# Altium PCB MOTHER_BOARD_LS1021_v1.0.PcbDoc (part 11 of 15)
Units mm, origin at the board's own origin, x right, y up, seen from the top; angles counter-clockwise.
Board outline 285 x 90.6 mm, 10 copper layers (TOP, GND1, SIGNAL1, GND+PWR1, POWER1, POWER2, GND+PWR2, SIGNAL2, GND2, BOTTOM), stack 1.739 mm thick; 1099 components, 832 nets, 4657 pads, 2737 vias.
Unrouted connection lines stored in the file: 7.
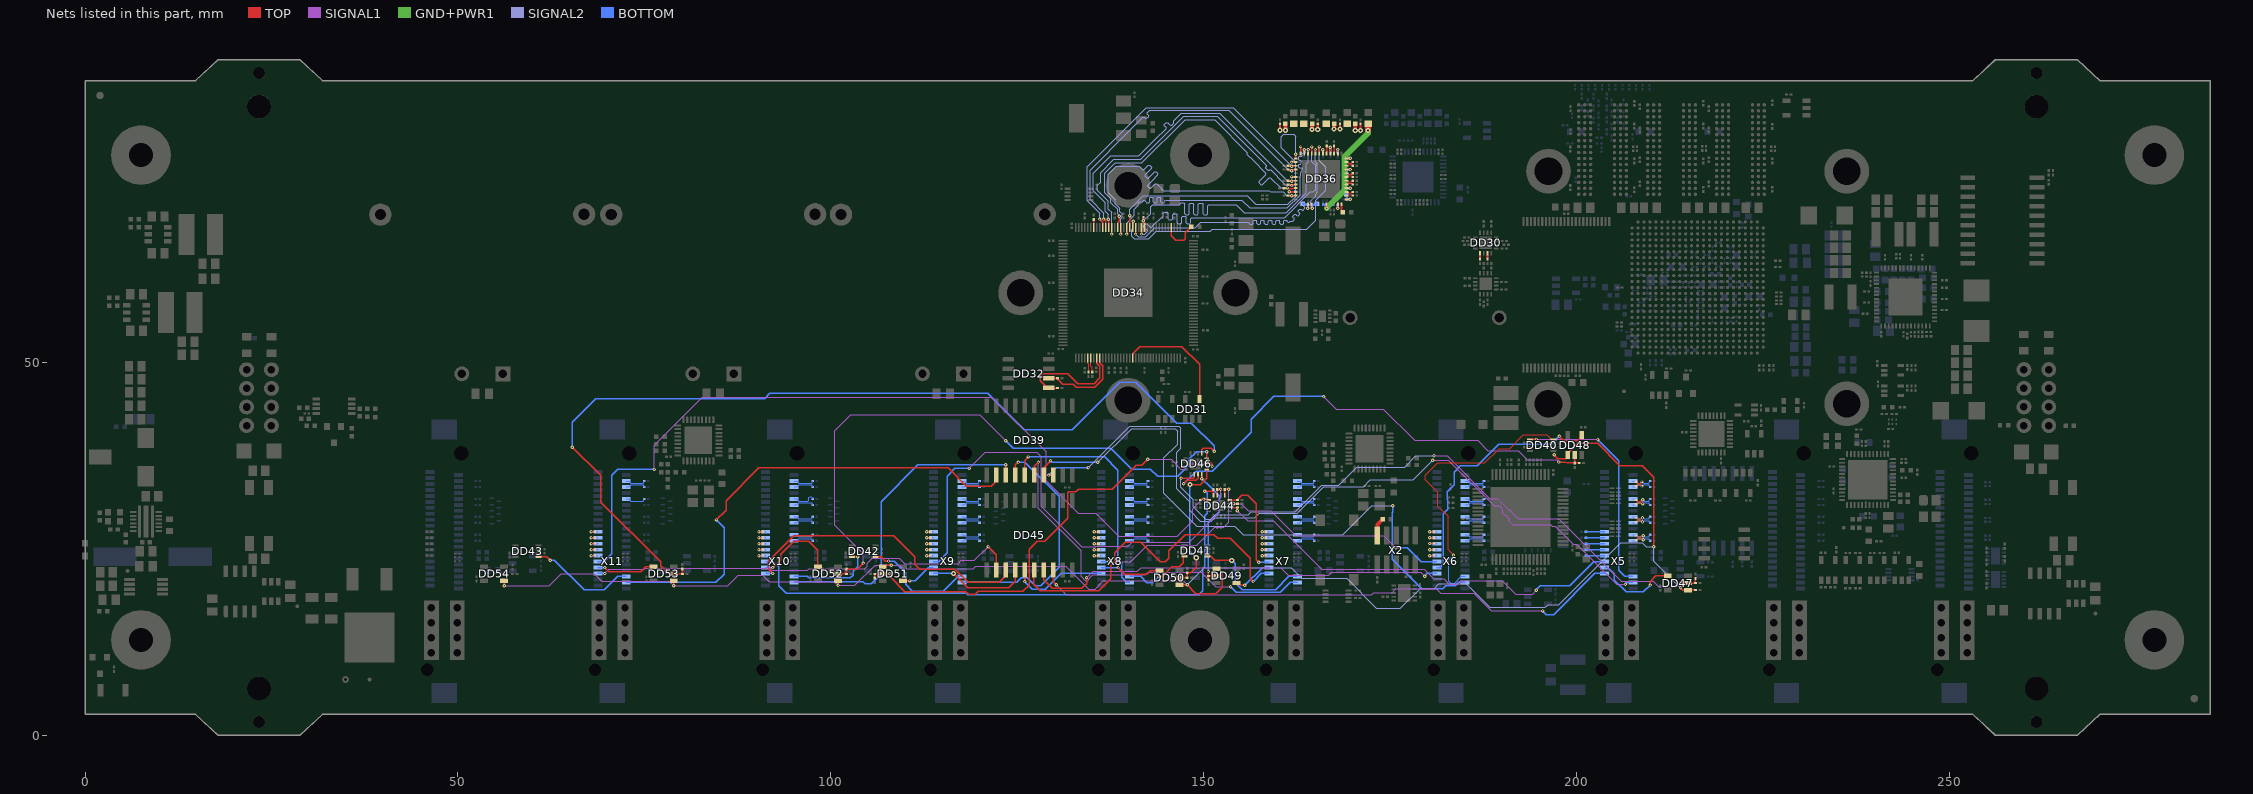
[diagram p19: the nets of this part, all layers, seen from the top]

## Via types
v1: diameter 0.45, hole 0.2, TOP to BOTTOM, tented both sides, 1587 vias
v2: diameter 0.7, hole 0.3, TOP to BOTTOM, tented both sides, 1134 vias
v3: diameter 0.45, hole 0.2, TOP to BOTTOM, tented bottom, 16 vias

## Nets (pads, with @x,y where several pads share a name; then routed paths per layer and width w, separated by ;. In a path a pad name is that pad's centre, name@x,y a point inside that pad or via, vN(x,y) a via of type N, cw(c..) or ccw(c..) an arc to the next point about the centre after c; other vN are vias at no path point) (continued)
NetDD30_13: DD30.13 R266.1 | length 0.8
  TOP w0.25: R266.1@187.075,63.875 DD30.13@187.075,64.625
NetDD30_15: DD30.15 R261.1 | length 0.8
  TOP w0.25: R261.1@188.075,63.875 DD30.15@188.075,64.625
NetDD31_4: DD31.4 DD34.20 | length 15.6
  TOP w0.2: DD34.20@140.475,50.575 140.475,51.177 141.426,52.128 147.096,52.128 149.45,49.774 DD31.4@149.45,45.1
NetDD32_5: DD32.5 DD34.8 R271.2 | length 15
  TOP w0.2: R271.2@130.4,46.575 129.075,46.575 128.125,47.525 128.125,48.175 128.45,48.5 131.8,48.5 133.125,47.175 135.325,47.175 136.1,47.95 136.1,49.475 135.7,49.875 135.7,49.901 135.675,49.901 DD34.8@135.675,50.475
NetDD32_6: DD32.6 DD34.9 R270.2 | length 11.8
  TOP w0.2: DD32.6@129.225,47.865 130.365,47.865 130.365,47.835 131.1,47.1 132.5,47.1 132.95,46.65 135.4,46.65 136.475,47.725 136.475,49.575 DD34.9@136.075,49.975 ; DD34.9@136.075,49.975 DD34.9@136.075,50.575 DD34.9@136.075,49.975
NetDD34_5: DD34.5 R273.2 | length 1.9
  TOP w0.15: DD34.5@134.475,50.575 134.475,49.875 134.575,49.775 R273.2@134.575,48.7
NetDD34_6: DD34.6 R272.2 | length 2
  TOP w0.15: DD34.6@134.875,50.575 134.875,49.525 135.075,49.325 R272.2@135.075,48.7
NetDD34_76: DD34.76 R277.2 | length 5.2
  TOP w0.2: DD34.76@145.675,68.075 145.675,66.975 146.25,66.4 147.325,66.4 147.525,66.6 147.525,67.375 R277.2@148.35,68.2
NetDD34_102: DD34.102 R276.2 | length 1.1
  TOP w0.2: DD34.102@135.275,68.075 R276.2@135.275,69.175
NetDD36_48: DD36.48 R290.1 | length 1.1
  TOP w0.25: DD36.48@168.5,71.225 168.5,70.35 R290.1@168.675,70.175
NetDD47_1: DD47.1 DD48.1 DD49.1 DD50.1 DD51.1 DD52.1 DD53.1 DD54.1 R336.1 | length 217.4
  TOP w0.196: v1(56.2,20.05) DD54.1@56.2,20.7 ; v1(78.95,20.05) DD53.1@78.95,20.7 ; v1(100.975,20.1) DD52.1@100.975,20.7 ; DD51.1@106.975,22.6 107.175,22.8 v1(108.125,22.8) ; DD50.1@146.775,20.175 v1(147.8,20.175) 148.975,19 151.625,19 152.502,19.877 152.502,21.703 151.88,22.325 DD49.1@151.725,22.325 ; v1(197,37.606) 197,37.575 197.482,37.093 198.568,37.093 198.825,37.35 DD48.1@198.825,37.575 198.825,37.825 200.175,39.175 202.825,39.175 205.825,36.175 208.8,36.175 210.375,34.6 v1(210.375,25.3) ; v1(213.95,19.775) 214.25,19.475 DD47.1@214.95,19.475 214.975,19.5 R336.1@215.95,19.5
  SIGNAL1 w0.113: v1(56.2,20.05) 62.275,20.05 63.875,21.65 68.3,21.65 69.3,20.65 78.35,20.65 v1(78.95,20.05) 86.2,20.05 87.6,21.45 90.869,21.45 91.721,20.598 100.477,20.598 v1(100.975,20.1) 103.25,20.1 105.95,22.8 v1(108.125,22.8) 109.275,22.8 109.725,22.35 119.125,22.35 119.475,22.7 131.5,22.7 134.607,19.593 135.46,19.593 136.566,20.7 147.275,20.7 v1(147.8,20.175)
  SIGNAL2 w0.113: v1(147.8,20.175) 150.118,22.493 161.732,22.493 163.175,21.05 169.175,21.05 173.182,17.043 176.393,17.043 179.025,19.675 180.941,19.675 181.566,20.3 185.2,20.3 188.35,17.15 195.825,17.15 196.2,17.525 197.625,17.525 205.95,25.85 208.784,25.85 208.791,25.843 208.807,25.843 209.35,25.3 v1(210.375,25.3) 210.375,23.35 v1(213.95,19.775)
NetR87_1: R87.1 X2.9 | length 2.5
  TOP w0.5: X2.9@173.31,26.8 173.31,28.285 R87.1@174,28.975
P0_AVDDH: C405.2 C409.1 C413.2 C418.2 C431.2 C436.2 DD36.1 DD36.12 DD36.47 L35.2 | length 5.1
  TOP w0.25: v1(168,70.7) DD36.47@168,71.225 ; DD36.1@169.15,71.875 v1(169.675,71.875) ; DD36.12@169.15,77.375 v1(169.675,77.375)
  TOP w0.3: v2(168.275,81.3) C409.1@168.275,82.025
  TOP w0.5: v2(167.5,81.3) C405.2@167.5,82.025
  BOTTOM w0.3: v1(168,70.7) C436.2@168,71.15 ; C413.2@169.1,72.55 169.225,72.425 C418.2@169.225,71.875 v1(169.675,71.875) ; C431.2@169.225,77.375 v1(169.675,77.375)
P0_AVDDL: C406.2 C410.1 C416.2 C421.2 C434.2 DD36.4 DD36.9 L36.2 | length 4.5
  TOP w0.25: DD36.4@169.15,73.375 v1(169.675,73.375) ; DD36.9@169.15,75.875 v1(169.675,75.875)
  TOP w0.3: v2(171.05,81.125) C410.1@171.05,82.025
  TOP w0.5: v2(170.325,81.125) C406.2@170.325,82.025
  BOTTOM w0.3: C416.2@169.1,75.2 169.225,75.325 C421.2@169.225,75.875 v1(169.675,75.875) ; C434.2@169.225,73.375 v1(169.675,73.375)
P0_AVDDL_PLL: C415.2 C420.1 C433.2 DD36.44 L37.2 | length 15.8
  TOP w0.25: v1(166.5,70.7) DD36.44@166.5,71.225
  TOP w0.75: v2(172.05,81.125) L37.2@172.05,82.025
  GND+PWR1 w0.75: v1(166.5,70.7) 168.9,73.1 168.9,77.59 172.05,80.74 v2(172.05,81.125)
  BOTTOM w0.3: C420.1@166,71.15 C433.2@166.5,71.15 ; v1(166.5,70.7) C433.2@166.5,71.15 ; C415.2@167.15,71.275 167.025,71.15 C433.2@166.5,71.15
P0_DVDDH: C404.2 C408.1 C414.2 C419.2 C432.2 C437.2 DD36.16 DD36.34 DD36.40 L34.2 | length 7.4
  TOP w0.25: v1(161.475,72.875) DD36.34@162.35,72.875 ; DD36.40@164.5,71.225 164.5,70.75 v1(164.55,70.7) ; DD36.16@167,78.025 v1(167,78.875)
  TOP w0.3: v2(160.25,81.15) C408.1@160.25,82
  TOP w0.5: v2(160.975,81.15) C404.2@160.975,82
  BOTTOM w0.3: v1(161.475,72.875) 162.2,72.875 C432.2@162.3,72.975 ; v1(164.55,70.7) 164.5,70.75 C437.2@164.5,71.15 165.05,71.15 C414.2@165.175,71.275 ; C419.2@167,78.1 v1@167,78.675 ; v1(167,78.875) v1@167,78.675 ; C419.2@167.025,78.075 167.025,78.65 v1@167,78.675
P0_DVDDL: C407.2 C411.1 C412.2 C417.2 C430.2 C435.2 C438.2 C439.2 C440.2 DD36.14 DD36.18 DD36.23 DD36.26 DD36.30 DD36.39 L38.2 | length 8.2
  TOP w0.25: v1(161.8,76.875) DD36.26@162.35,76.875 ; v1(161.825,74.875) DD36.30@162.35,74.875 ; DD36.23@163.5,78.025 v1(163.5,78.55) ; v1(163.95,70.7) 164,70.75 DD36.39@164,71.225 ; DD36.18@166,78.025 v1(166,78.55) ; DD36.14@168,78.025 v1(168,78.55)
  TOP w0.3: v2(165.3,81.25) C411.1@165.3,82
  TOP w0.5: v2(164.55,81.25) C407.2@164.55,82
  BOTTOM w0.3: v1(161.8,76.875) C438.2@162.275,76.875 ; v1(161.825,74.875) C439.2@162.275,74.875 ; C412.2@163.325,71.275 163.45,71.15 C417.2@164,71.15 164,70.75 v1(163.95,70.7) ; C435.2@163.5,78.1 v1(163.5,78.55) ; C430.2@166,78.1 v1(166,78.55) ; C440.2@168,78.1 v1(168,78.55)
P0_LED1: DD36.17 R280.1 | length 1
  TOP w0.196: DD36.17@166.5,78.025 R280.1@166.5,79.025
P0_LED2: DD36.15 R281.1 | length 1
  TOP w0.196: DD36.15@167.5,78.025 R281.1@167.5,79.025
P0_RX_CLK: DD34.93 DD36.35 R282.1 | length 44
  TOP w0.196: v1(138.875,67.225) DD34.93@138.875,68.075 ; R282.1@161.35,72.375 v1(161.833,72.375) DD36.35@162.35,72.375
  SIGNAL2 w0.113: v1(138.875,67.225) 138.875,69.285 139.057,69.467 139.057,69.918 138.775,70.2 138.775,70.7 138.175,71.3 138.175,71.825 137.225,72.775 137.225,75.269 138.281,76.325 141.337,76.325 141.677,75.985 141.807,75.855 141.98,75.855 142.583,76.459 142.757,76.459 143.017,76.199 143.017,76.025 142.327,75.335 142.149,75.157 142.149,74.984 142.409,74.724 142.583,74.724 142.76,74.902 143.45,75.592 143.624,75.592 143.884,75.332 143.884,75.158 143.194,74.468 142.504,73.778 142.504,73.605 142.764,73.345 142.937,73.345 143.54,73.948 143.714,73.948 144.056,73.606 144.618,73.043 158.807,73.043 158.975,72.875 160.675,72.875 161.175,72.375 v1(161.833,72.375)
P0_RX_DV: DD34.94 DD36.33 R288.1 | length 44.1
  TOP w0.196: DD34.94@138.475,68.075 138.482,68.082 138.482,68.734 138.675,68.927 v1(138.675,69.625) ; R288.1@160.75,73.375 160.763,73.388 161.21,73.388 v1(161.222,73.4) 161.291,73.4 161.385,73.306 162.008,73.306 162.051,73.348 162.323,73.348 DD36.33@162.35,73.375
  SIGNAL2 w0.113: v1(138.675,69.625) 138.675,69.716 138.475,69.916 138.475,70.525 137.575,71.425 137.575,71.975 136.775,72.775 136.775,75.4 138.125,76.75 141.723,76.75 147.53,82.556 151.47,82.556 155.871,78.156 155.871,77.865 156.505,77.23 158.356,75.38 158.356,75.206 157.433,74.284 157.433,74.11 157.693,73.85 157.867,73.85 158.789,74.773 158.963,74.773 159.093,74.643 160.335,73.4 v1(161.222,73.4)
P0_RXD0: DD34.96 DD36.32 R283.2 | length 44.1
  TOP w0.149: v1(137.675,67.225) DD34.96@137.675,68.075
  TOP w0.196: R283.2@161.35,73.875 161.402,73.823 161.67,73.823 161.764,73.729 v1(161.833,73.729) ; v1@161.833,73.708 v1(161.833,73.729) ; DD36.32@162.35,73.875 162.323,73.848 161.948,73.848 161.833,73.733 v1(161.833,73.729)
  SIGNAL2 w0.113: v1(137.675,67.225) 137.675,70.114 137.225,70.564 137.225,71.609 135.743,73.09 135.743,73.739 136.175,74.171 136.175,75.425 137.975,77.225 141.575,77.225 147.35,83 151.814,83 158.25,76.564 158.38,76.434 158.38,76.261 158.341,76.222 158.341,76.049 158.601,75.789 158.775,75.789 158.814,75.828 158.987,75.828 160.771,74.043 161.033,73.782 161.78,73.782 v1(161.833,73.729)
P0_RXD1: DD34.97 DD36.31 R284.2 | length 44.1
  TOP w0.196: v1(137.225,69.225) 137.268,69.182 137.268,68.082 DD34.97@137.275,68.075 ; R284.2@161.35,74.375 161.387,74.338 161.787,74.338 v1(161.825,74.3) 161.875,74.35 162.325,74.35 DD36.31@162.35,74.375
  SIGNAL2 w0.113: v1(137.225,69.225) 137.225,69.9 136.825,70.3 136.825,71.416 135.219,73.022 135.219,75.369 137.575,77.725 141.325,77.725 143.537,79.937 144.963,81.363 144.963,81.536 144.756,81.743 144.756,81.916 145.016,82.177 145.189,82.177 145.483,81.883 145.57,81.796 145.743,81.796 146.003,82.056 146.003,82.23 146.003,82.403 146.133,82.533 147.025,83.425 152.175,83.425 161.3,74.3 v1(161.825,74.3)
P0_RXD2: DD34.98 DD36.28 R285.2 | length 44.1
  TOP w0.196: v1(136.625,69.233) 136.625,69.227 136.875,68.977 DD34.98@136.875,68.075 ; R285.2@161.35,75.875 161.402,75.823 161.616,75.823 161.739,75.7 v1(161.808,75.7) 161.956,75.848 162.323,75.848 DD36.28@162.35,75.875
  SIGNAL2 w0.113: v1(136.625,69.233) 136.625,70.025 134.775,71.875 134.775,75.8 140.044,81.069 141.851,82.876 142.024,82.876 142.18,82.719 142.354,82.719 142.614,82.979 142.614,83.152 142.457,83.309 142.457,83.482 142.587,83.612 142.775,83.8 153.375,83.8 161.475,75.7 v1(161.808,75.7)
P0_RXD3: DD34.99 DD36.27 R286.2 | length 44
  TOP w0.196: v1(136.05,69.233) 136.05,69.21 136.466,68.794 136.466,68.084 DD34.99@136.475,68.075 ; R286.2@161.35,76.375 161.386,76.339 161.772,76.339 v1(161.808,76.304) ; v1@161.804,76.304 v1(161.808,76.304) ; DD36.27@162.35,76.375 161.879,76.375 v1(161.808,76.304)
  SIGNAL2 w0.113: v1(136.05,69.233) 136.05,70.025 134.4,71.675 134.4,76.275 142.275,84.15 153.962,84.15 v1(161.808,76.304)
P0_TX_CLK: DD34.91 DD36.24 | length 40.4
  TOP w0.196: v1(139.675,67.225) DD34.91@139.675,68.075 ; DD36.24@163,78.025 v1(163,78.9)
  SIGNAL2 w0.113: v1(139.675,67.225) 139.675,68.7 140.725,69.75 140.725,70.525 141.133,70.933 141.242,71.042 141.242,71.187 141.214,71.215 141.214,71.36 141.432,71.577 141.577,71.577 141.605,71.55 141.75,71.55 141.975,71.775 142.129,71.775 142.231,71.672 142.231,71.528 142.334,71.425 142.642,71.425 142.744,71.528 142.744,71.775 142.744,72.022 142.847,72.125 143.155,72.125 143.257,72.022 143.257,71.775 143.257,71.528 143.36,71.425 143.668,71.425 143.77,71.528 143.77,71.775 143.77,72.022 143.873,72.125 144.181,72.125 144.283,72.022 144.283,71.775 144.283,71.528 144.386,71.425 144.694,71.425 144.796,71.528 144.796,71.672 144.899,71.775 149.25,71.775 155.125,71.775 156.175,70.725 161.215,70.725 162.943,72.453 162.943,74.983 163,75.04 163,75.33 163,75.474 163.103,75.576 163.147,75.576 163.25,75.679 163.25,75.987 163.147,76.089 163,76.089 162.853,76.089 162.75,76.192 162.75,76.5 162.853,76.602 163,76.602 163.016,76.602 163.118,76.705 163.118,77.013 163.016,77.115 163,77.115 162.853,77.115 162.75,77.218 162.75,77.526 162.853,77.628 163,77.628 163.147,77.628 163.25,77.731 163.25,78.039 163.147,78.141 163.103,78.141 163,78.244 163,78.398 v1(163,78.9)
P0_TX_EN: DD34.90 DD36.25 | length 40.4
  TOP w0.196: DD34.90@140.075,68.075 v1(140.075,69.675) ; DD36.25@162.35,77.375 v1(162.35,77.9)
  SIGNAL2 w0.113: v1(140.075,69.675) 140.075,70.522 141.928,72.375 155.831,72.375 157.014,71.192 161.292,71.192 162.35,72.25 162.35,76.865 160.42,78.795 160.42,80.27 160.775,80.625 162.058,80.625 162.35,80.333 v1(162.35,77.9)
P0_TXD0: DD34.89 DD36.19 | length 40.5
  TOP w0.196: DD34.89@140.475,68.075 140.475,68.853 v1(140.575,68.953) ; DD36.19@165.5,78.025 v1(165.5,78.9)
  SIGNAL2 w0.113: v1(140.575,68.953) 140.575,67.981 140.375,67.781 140.375,66.9 140.675,66.6 142.625,66.6 143.645,67.62 150.895,67.62 151.142,67.867 163.817,67.867 165.025,69.075 165.025,71.775 166.35,73.1 166.35,76.175 165.5,77.025 v1(165.5,78.9)
P0_TXD1: DD34.88 DD36.20 | length 40.4
  TOP w0.196: v1(140.875,67.225) DD34.88@140.875,68.075 ; DD36.20@165,78.025 v1(165,78.55)
  SIGNAL2 w0.113: v1(140.875,67.225) 141.256,66.844 142.219,66.844 143.45,68.075 148.875,68.075 149.6,68.8 153.425,68.8 156.011,68.8 156.114,68.697 156.114,68.653 156.216,68.55 156.524,68.55 156.627,68.653 156.627,68.8 156.627,68.947 156.729,69.05 157.037,69.05 157.14,68.947 157.14,68.8 157.14,68.653 157.242,68.55 157.55,68.55 157.653,68.653 157.653,68.8 157.653,68.947 157.755,69.05 158.063,69.05 158.166,68.947 158.166,68.8 158.166,68.653 158.268,68.55 158.576,68.55 158.679,68.653 158.679,68.8 158.679,68.947 158.781,69.05 159.089,69.05 159.192,68.947 159.192,68.8 159.192,68.653 159.294,68.55 159.602,68.55 159.705,68.653 159.705,68.8 159.705,68.947 159.807,69.05 160.115,69.05 160.218,68.947 160.218,68.8 160.218,68.653 160.32,68.55 160.628,68.55 160.731,68.653 160.731,68.8 160.731,68.947 160.833,69.05 161.141,69.05 161.244,68.947 161.244,68.903 161.346,68.8 161.5,68.8 161.648,68.948 161.793,68.948 161.825,68.916 161.97,68.916 162.188,69.134 162.188,69.279 162.083,69.383 161.979,69.488 161.979,69.633 162.197,69.85 162.342,69.85 162.446,69.746 162.55,69.642 162.696,69.642 162.913,69.86 162.913,70.005 162.809,70.109 162.705,70.213 162.705,70.358 162.922,70.576 163.067,70.576 163.172,70.472 163.206,70.438 163.351,70.438 163.569,70.655 163.569,70.8 163.534,70.834 163.43,70.939 163.43,71.084 163.648,71.301 163.793,71.301 163.897,71.197 164.001,71.093 164.147,71.093 164.364,71.311 164.364,71.456 164.332,71.487 164.332,71.632 164.441,71.741 165.007,72.307 165.007,72.575 165.243,72.811 165.243,76.682 165,76.925 v1(165,78.55)
P0_TXD2: DD34.86 DD36.21 | length 40.5
  TOP w0.196: v1(141.675,67.225) DD34.86@141.675,68.075 ; DD36.21@164.5,78.025 v1(164.5,78.9)
  SIGNAL2 w0.113: v1(141.675,67.225) 142.115,67.225 142.288,67.399 142.418,67.529 142.418,67.702 141.966,68.154 141.966,68.327 142.227,68.587 142.4,68.587 142.852,68.136 143.025,68.136 143.329,68.44 144.315,69.425 144.498,69.425 144.621,69.548 144.621,69.998 144.744,70.121 145.111,70.121 145.234,69.998 145.234,69.425 145.234,69.284 145.357,69.161 145.724,69.161 145.847,69.284 145.847,69.425 145.847,69.823 145.97,69.946 146.337,69.946 146.46,69.823 146.46,69.425 146.46,68.733 146.583,68.611 146.95,68.611 147.073,68.733 147.073,69.425 147.073,69.453 147.196,69.575 147.563,69.575 147.686,69.453 147.686,69.425 147.686,68.733 147.809,68.611 148.176,68.611 148.299,68.733 148.299,69.302 148.422,69.425 149,69.425 160.868,69.425 164.312,72.869 164.71,72.869 165.006,73.165 165.006,76.444 164.5,76.95 v1(164.5,78.9)
P0_TXD3: DD34.85 DD36.22 R279.2 | length 41
  TOP w0.196: R279.2@141.925,69.475 v1(141.925,68.99) 141.925,68.908 142.075,68.758 DD34.85@142.075,68.075 ; DD36.22@164,78.025 164.027,78.052 164.027,78.527 v1(164.05,78.55)
  SIGNAL2 w0.113: v1(141.925,68.99) 142.893,69.958 142.893,70.868 143.175,71.15 146.55,71.15 146.734,71.15 146.856,71.273 146.979,71.395 147.347,71.395 147.469,71.273 147.469,71.15 147.469,69.957 147.592,69.834 147.96,69.834 148.082,69.957 148.082,71.15 148.082,71.243 148.205,71.366 148.573,71.366 148.695,71.243 148.695,71.15 148.695,69.957 148.818,69.834 149.186,69.834 149.308,69.957 149.308,71.15 149.308,71.243 149.431,71.366 149.799,71.366 149.921,71.243 149.921,71.15 149.921,69.957 150.044,69.834 150.412,69.834 150.534,69.957 150.534,71.027 150.657,71.15 151.025,71.15 154.4,71.15 155.475,70.075 161.051,70.075 163.756,72.781 163.756,76.632 164.05,76.925 v1(164.05,78.55)
P0_TXRX_A_N: C423.1 DD36.3 | length 1
  TOP w0.12: DD36.3@169.15,72.875 169.275,72.875 169.34,72.81 169.34,72.805 169.41,72.735 169.835,72.735 169.975,72.875 C423.1@170,72.875
P0_TXRX_A_P: C422.1 DD36.2 | length 1
  TOP w0.12: DD36.2@169.15,72.375 169.275,72.375 169.34,72.44 169.34,72.445 169.41,72.515 169.835,72.515 169.975,72.375 C422.1@170,72.375
P0_TXRX_B_N: C425.1 DD36.6 | length 1
  TOP w0.12: DD36.6@169.15,74.375 169.275,74.375 169.34,74.31 169.34,74.305 169.41,74.235 169.835,74.235 169.975,74.375 C425.1@170,74.375
P0_TXRX_B_P: C424.1 DD36.5 | length 1
  TOP w0.12: DD36.5@169.15,73.875 169.275,73.875 169.34,73.94 169.34,73.945 169.41,74.015 169.835,74.015 169.975,73.875 C424.1@170,73.875
P0_TXRX_C_N: C427.1 DD36.8 | length 1
  TOP w0.12: DD36.8@169.15,75.375 169.275,75.375 169.415,75.235 169.835,75.235 169.975,75.375 C427.1@170,75.375
P0_TXRX_C_P: C426.1 DD36.7 | length 1
  TOP w0.12: DD36.7@169.15,74.875 169.275,74.875 169.415,75.015 169.835,75.015 169.975,74.875 C426.1@170,74.875
P0_TXRX_D_N: C429.1 DD36.11 | length 1
  TOP w0.12: DD36.11@169.15,76.875 169.275,76.875 169.34,76.81 169.34,76.805 169.41,76.735 169.835,76.735 169.975,76.875 C429.1@170,76.875
P0_TXRX_D_P: C428.1 DD36.10 | length 1
  TOP w0.12: DD36.10@169.15,76.375 169.275,76.375 169.34,76.44 169.34,76.445 169.41,76.515 169.835,76.515 169.975,76.375 C428.1@170,76.375
P1_INT: DD44.2 R320.1 X5.9 | length 57.6
  TOP w0.196: DD44.2@153.475,30.55 R320.1@154.525,30.55 v1(154.525,30.125)
  SIGNAL1 w0.113: v1(154.525,30.125) 155.9,28.75 159.35,28.75 165.825,22.275 179.591,22.275 180.885,20.982 182.193,20.982 182.925,20.25 184.01,20.25 184.504,20.744 190.056,20.744 191.85,18.95 194.109,18.95 v1(194.609,19.451)
  BOTTOM w0.196: v1(194.609,19.451) 194.6,19.46 194.6,19.5 195.175,20.075 199.1,20.075 202.325,23.3 X5.9@203.775,23.3
P1_MDC: DD39.18 X5.4 | length 104
  TOP w0.196: v1(129.25,34.9) DD39.18@129.825,34.9
  SIGNAL1 w0.113: v1(180.734,36.902) 182.836,36.902 188.963,30.775 189.625,30.775 190.125,30.275 190.125,29.81 190.392,29.543 190.531,29.543 191,29.075 191,28.7 191.475,28.225 196.569,28.225 196.775,28.02 197.18,28.02 199.575,25.625 200.025,25.625 205.375,20.275 v1(206.575,20.275)
  SIGNAL2 w0.113: v1(134.5,35.9) 140.075,41.475 146.65,41.475 146.925,41.2 146.925,38.5 146.4,37.975 146.4,33.075 148.125,31.35 148.125,30.15 149.575,28.7 151.026,28.7 151.534,29.208 156.892,29.208 157.465,29.781 162.565,29.781 166.117,33.333 171.458,33.333 172.375,34.25 178.082,34.25 v1(180.734,36.902)
  BOTTOM w0.196: v1(129.25,34.9) 130.25,35.9 v1(134.5,35.9) ; v1(206.575,20.275) 206.8,20.5 X5.4@207.575,20.5
P1_MDIO: DD40.1 X5.6 | length 30.1
  TOP w0.196: DD40.1@193.8,39.675 v1(194.589,39.675)
  SIGNAL1 w0.113: v1(194.589,39.675) 194.595,39.681 202.83,39.681 v1(202.885,39.627)
  BOTTOM w0.196: v1(202.885,39.627) 202.881,39.631 202.881,39.65 205.685,36.846 205.685,22.113 206.498,21.3 X5.6@207.575,21.3
P1_PTP_SYNC: DD45.18 X5.5 | length 80.3
  TOP w0.196: DD45.18@129.825,22.175 129.825,20.625 v1(130.25,20.2)
  SIGNAL1 w0.113: v1(130.25,20.2) 131.582,18.868 172.543,18.868 172.8,19.125 175.3,19.125 175.8,19.625 181.178,19.625 181.778,19.025 186.225,19.025 188.574,16.676 v1(195.485,16.676)
  BOTTOM w0.196: v1(195.485,16.676) 195.485,16.66 195.475,16.65 195.925,16.2 196.95,16.2 202.45,21.7 X5.5@203.775,21.7
P1_RESET: DD47.4 X5.7 | length 11.5
  TOP w0.196: v1@209.875,20.175 209.875,20.6 210.65,21.375 DD47.4@212.25,21.375
  BOTTOM w0.196: X5.7@203.775,22.5 204.194,22.5 205.05,21.644 205.05,20.825 206.65,19.225 208.975,19.225 v1(209.9,20.15)
P1_RST: DD46.2 DD47.2 R328.2 R329.2 | length 86.4
  TOP w0.196: v1(146.975,34.475) 147.15,34.475 147.153,34.478 148.625,34.478 148.75,34.603 DD46.2@148.75,35 ; v1(213.95,20.425) DD47.2@214.95,20.425 R328.2@215.95,20.425 R329.2@215.95,21.025
  SIGNAL1 w0.113: v1(180.898,37.475) 182.675,37.475 188.4,31.75 189.475,31.75 192.192,29.033 197.659,29.033 206.016,20.675 210.275,20.675 211.025,19.925 213.45,19.925 v1(213.95,20.425)
  SIGNAL2 w0.113: v1(146.975,34.475) 146.926,34.426 146.926,33.299 148.625,31.6 148.625,30.625 150.3,28.95 150.975,28.95 151.625,29.6 155.975,29.6 156.375,30 162.3,30 165.846,33.546 168.093,33.546 170.522,35.975 176.955,35.975 178.455,37.475 v1(180.898,37.475)
P1_SW_ADDR0: R299.2 X5.11 | length 2.5
  BOTTOM w0.196: R299.2@201.25,24.1 X5.11@203.775,24.1
P1_SW_ADDR1: R300.2 X5.13 | length 2.5
  BOTTOM w0.196: R300.2@201.25,24.9 X5.13@203.775,24.9
P1_SW_ADDR2: R301.2 X5.15 | length 2.5
  BOTTOM w0.196: R301.2@201.25,25.7 X5.15@203.775,25.7
P1_SW_ADDR3: R302.2 X5.17 | length 2.5
  BOTTOM w0.196: R302.2@201.25,26.5 X5.17@203.775,26.5
P1_SW_ADDR4: R303.2 X5.19 | length 2.5
  BOTTOM w0.196: R303.2@201.25,27.3 X5.19@203.775,27.3
P1_TXRX_A_N: C457.1 R372.1 X5.36 | length 3.8
  TOP w0.12: R372.1@207.975,33.4 208.025,33.4 208.115,33.49 208.115,33.52 208.185,33.59 208.533,33.59 208.698,33.425 v1(208.788,33.425)
  BOTTOM w0.12: X5.36@207.575,33.3 207.925,33.3 208.115,33.49 208.115,33.52 208.185,33.59 208.355,33.59 208.533,33.59 208.698,33.425 v1(208.788,33.425) 208.858,33.425 209.023,33.59 209.72,33.59 209.79,33.52 209.79,33.385 C457.1@209.875,33.3
P1_TXRX_A_P: C441.1 R373.1 X5.38 | length 3.8
  TOP w0.12: R373.1@207.975,34 208.025,34 208.115,33.91 208.115,33.88 208.185,33.81 208.533,33.81 208.698,33.975 v1(208.788,33.975)
  BOTTOM w0.12: X5.38@207.575,34.1 207.925,34.1 208.115,33.91 208.115,33.88 208.185,33.81 208.446,33.81 208.533,33.81 208.698,33.975 v1(208.788,33.975) 208.858,33.975 209.023,33.81 209.72,33.81 209.79,33.88 209.79,34.015 C441.1@209.875,34.1
P1_TXRX_B_N: C458.1 R370.1 X5.32 | length 3.8
  TOP w0.12: R370.1@207.975,31.6 208.025,31.6 208.115,31.51 208.115,31.48 208.185,31.41 208.355,31.41 208.383,31.41 208.643,31.41 208.808,31.575 v1(208.879,31.575)
  BOTTOM w0.12: X5.32@207.575,31.7 207.925,31.7 208.115,31.51 208.115,31.48 208.185,31.41 208.643,31.41 208.808,31.575 v1(208.879,31.575) 208.949,31.575 209.114,31.41 209.46,31.41 209.72,31.41 209.79,31.48 209.79,31.615 C458.1@209.875,31.7
P1_TXRX_B_P: C442.1 R369.1 X5.30 | length 3.8
  TOP w0.12: R369.1@207.975,31 208.025,31 208.115,31.09 208.115,31.12 208.185,31.19 208.355,31.19 208.474,31.19 208.643,31.19 208.808,31.025 v1(208.879,31.025)
  BOTTOM w0.12: X5.30@207.575,30.9 207.925,30.9 208.115,31.09 208.115,31.12 208.185,31.19 208.643,31.19 208.808,31.025 v1(208.879,31.025) 208.919,31.025 209.084,31.19 209.369,31.19 209.72,31.19 209.79,31.12 209.79,30.985 C442.1@209.875,30.9
P1_TXRX_C_N: C459.1 R367.1 X5.24 | length 3.8
  TOP w0.12: R367.1@207.975,28.6 208.025,28.6 208.115,28.69 208.115,28.72 208.185,28.79 208.604,28.79 208.769,28.625 v1(208.858,28.625)